# KiCad board haptic display 8x8 aisler.kicad_pcb (continued)
## Routing (per net, layer and track width the routed paths; a pad name or vN(x,y) marks a point on that pad's centre or on a via; arc(x,y) is an arc through that point) (continued)
18.68,17.34 18.44,17.47 18.21,17.63 17.99,17.8 17.8,17.99 17.62,18.2 17.46,18.43 17.32,18.67 17.2,18.92 17.11,19.18 17.05,19.45 17,19.72 16.99,20 17,20.28 17.03,20.55 17.09,20.83 17.18,21.09 17.29,21.35 17.42,21.6 17.58,21.83 17.75,22.05 17.95,22.25 18.16,22.43 18.39,22.6 18.64,22.74 18.89,22.85 19.16,22.95 19.44,23.02 19.72,23.06 20,23.07 20.28,23.07 20.57,23.03 20.84,22.97 21.12,22.88 21.38,22.77 21.63,22.63 21.87,22.47 22.09,22.29 22.3,22.09 22.48,21.88 22.65,21.64 22.79,21.39 22.91,21.13 23.01,20.86 23.08,20.58 23.12,20.29 23.14,20 23.13,19.71 23.09,19.42 23.03,19.14 22.94,18.86 22.83,18.59 22.69,18.34 22.52,18.09 22.34,17.87 22.14,17.66 21.91,17.47 21.67,17.3 21.42,17.15 21.15,17.03 20.87,16.93 20.59,16.86 20.29,16.82 20,16.8 19.72,16.81 19.44,16.84 19.17,16.9 18.9,16.98 18.64,17.08 18.39,17.21 18.15,17.36 17.93,17.53 17.72,17.72 17.52,17.92 17.35,18.14 17.19,18.38 17.06,18.63 16.95,18.89 16.86,19.16 16.79,19.43 16.75,19.72 16.74,20 16.75,20.28 16.78,20.57 16.84,20.85 16.92,21.12 17.03,21.39 17.16,21.64 17.31,21.89 17.48,22.11 17.67,22.33 17.88,22.53 18.11,22.7 18.35,22.86 18.6,23 18.87,23.11 19.14,23.2 19.42,23.27 19.71,23.31 20,23.32 20.29,23.32 20.58,23.28 20.86,23.22 21.14,23.14 21.41,23.03 21.67,22.9 21.92,22.74 22.16,22.57 22.37,22.37 22.57,22.16 22.75,21.93 22.92,21.68 23.05,21.42 23.17,21.15 23.26,20.87 23.33,20.59 23.37,20.29 23.39,20 23.38,19.7 23.34,19.41 23.28,19.12 23.2,18.84 23.09,18.56 22.95,18.3 22.79,18.04 22.62,17.8 22.42,17.58 22.2,17.38 21.96,17.19 21.71,17.03 21.45,16.89 21.18,16.77 20.89,16.68 20.6,16.61 20.3,16.57 20,16.55 19.71,16.56 19.43,16.59 19.15,16.65 18.88,16.72 18.61,16.83 18.35,16.95 18.1,17.09 17.86,17.26 17.64,17.44 17.44,17.64 17.25,17.86 17.08,18.09 16.93,18.34 16.8,18.6 16.69,18.86 16.6,19.14 16.54,19.42 16.5,19.71 16.49,20 16.5,20.29 16.53,20.58 16.59,20.86 16.67,21.14 16.77,21.42 16.89,21.68 17.04,21.93 17.21,22.17 17.39,22.4 17.6,22.61 17.82,22.8 18.06,22.97 18.31,23.13 18.57,23.26 18.84,23.37 19.12,23.46 19.41,23.52 19.71,23.56 20,23.57 20.3,23.57 20.59,23.53 20.88,23.48 21.17,23.39 21.44,23.29 21.71,23.16 21.97,23.01 22.21,22.84 22.44,22.65 22.65,22.44 22.85,22.22 23.03,21.98 23.18,21.72 23.32,21.45 23.43,21.18 23.52,20.89 23.58,20.6 23.62,20.3 23.64,20 23.63,19.7 23.59,19.4 23.54,19.1 23.45,18.81 23.35,18.53 23.22,18.26 23.06,18 22.89,17.75 22.7,17.52 22.49,17.3 22.26,17.1 22.01,16.92 21.75,16.76 21.48,16.63 21.2,16.51 20.91,16.42 20.61,16.36 20.31,16.32 20,16.3 19.71,16.31 19.42,16.34 19.13,16.39 18.85,16.47 18.58,16.57 18.31,16.69 18.06,16.83 17.81,16.99 17.58,17.17 17.36,17.36 17.16,17.57 16.98,17.8 16.81,18.05 16.66,18.3 16.54,18.57 16.43,18.84 16.35,19.12 16.29,19.41 16.25,19.71 16.24,20 16.25,20.3 16.28,20.59 16.33,20.88 16.41,21.17 16.51,21.45 16.63,21.72 16.77,21.98 16.94,22.23 17.12,22.46 17.32,22.68 17.53,22.89 17.77,23.07 18.01,23.24 18.27,23.39 18.54,23.52 18.82,23.63 19.11,23.71 19.4,23.77 19.7,23.81 20,23.82 20.3,23.82 20.6,23.78 20.9,23.73 21.19,23.65 21.47,23.55 21.75,23.42 22.01,23.28 22.26,23.11 22.5,22.93 22.73,22.73 22.93,22.51 23.12,22.27 23.3,22.02 23.45,21.76 23.58,21.48 23.69,21.2 23.77,20.91 23.83,20.61 23.87,20.3 23.89,20 23.88,19.69 23.85,19.39 23.79,19.09 23.71,18.79 23.61,18.51 23.48,18.23 23.33,17.96 23.17,17.7 22.98,17.46 22.77,17.23 22.55,17.02 22.31,16.82 22.05,16.65 21.78,16.5 21.51,16.37 21.22,16.26 20.92,16.17 20.62,16.1 20.31,16.07 20,16.05 19.7,16.06 19.41,16.09 19.12,16.14 18.83,16.21 18.55,16.31 18.28,16.43 18.01,16.56 17.76,16.72 17.52,16.89 17.29,17.08 17.08,17.29 16.88,17.51 16.7,17.75 16.54,18 16.4,18.27 16.28,18.54 16.18,18.82 16.1,19.11 16.04,19.4 16,19.7 15.99,20 16,20.3 16.03,20.6 16.08,20.89 16.15,21.19 16.25,21.47 16.37,21.75 16.51,22.02 16.67,22.27 16.84,22.52 17.04,22.75 17.25,22.97 17.48,23.17 17.72,23.35 17.97,23.51 18.24,23.66 18.52,23.78 18.8,23.88 19.1,23.96 19.39,24.02 19.7,24.06 20,24.07 20.3,24.07 20.61,24.04 20.91,23.98 21.2,23.91 21.49,23.81 21.78,23.69 22.05,23.55 22.31,23.39 22.56,23.21 22.79,23.01 23.01,22.79 23.21,22.56 23.4,22.32 23.57,22.06 23.71,21.79 23.84,21.51 23.94,21.22 24.03,20.92 24.09,20.62 24.12,20.31 24.14,20 24.13,19.69 24.1,19.38 24.04,19.08 23.97,18.78 23.87,18.48 23.74,18.2 23.6,17.92 23.44,17.66 23.26,17.4 23.05,17.17 22.84,16.94 22.6,16.74 22.35,16.55 22.09,16.38 21.81,16.23 21.53,16.1 21.23,16 20.93,15.91 20.63,15.85 20.31,15.81 20,15.8 19.7,15.81 19.4,15.84 19.11,15.89 18.81,15.96 18.53,16.05 18.25,16.16 17.98,16.3 17.72,16.45 17.47,16.62 17.23,16.8 17.01,17.01 16.8,17.23 16.61,17.46 16.43,17.71 16.28,17.97 16.14,18.24 16.02,18.52 15.92,18.8 15.84,19.1 15.79,19.39 15.75,19.7 15.74,20 15.75,20.3 15.78,20.61 15.83,20.91 15.9,21.2 15.99,21.49 16.11,21.78 16.24,22.05 16.4,22.32 16.57,22.57 16.76,22.81 16.96,23.04 17.19,23.25 17.42,23.44 17.67,23.62 17.94,23.78 18.21,23.92 18.49,24.04 18.78,24.14 19.08,24.22 19.39,24.28 19.69,24.31 20,24.32 20.31,24.32 20.62,24.29 20.92,24.23 21.22,24.16 21.52,24.07 21.8,23.95 22.08,23.81 22.35,23.66 22.61,23.48 22.85,23.29 23.08,23.08 23.29,22.85 23.49,22.61 23.67,22.36 23.83,22.09 23.98,21.82 24.1,21.53 24.2,21.23 24.28,20.93 24.34,20.62 24.37,20.31 24.39,20 24.38,19.69 24.35,19.37 24.3,19.07 24.22,18.76 24.12,18.46 24.01,18.17 23.87,17.89 23.71,17.62 23.53,17.36 23.34,17.11 23.12,16.88 22.9,16.66 22.65,16.46 22.39,16.28 22.12,16.11 21.84,15.97 21.55,15.84 21.25,15.74 20.94,15.66 20.63,15.6 20.32,15.56 20,15.55 19.05,15.55 ; 19.05,120.55 20,120.55 20.32,120.56 20.63,120.6 20.94,120.66 21.25,120.74 21.55,120.84 21.84,120.97 22.12,121.11 22.39,121.28 22.65,121.46 22.9,121.66 23.12,121.88 23.34,122.11 23.53,122.36 23.71,122.62 23.87,122.89 24.01,123.17 24.12,123.46 24.22,123.76 24.3,124.07 24.35,124.37 24.38,124.69 24.39,125 24.37,125.31 24.34,125.62 24.28,125.93 24.2,126.23 24.1,126.53 23.98,126.82 23.83,127.09 23.67,127.36 23.49,127.61 23.29,127.85 23.08,128.08 22.85,128.29 22.61,128.48 22.35,128.66 22.08,128.81 21.8,128.95 21.52,129.07 21.22,129.16 20.92,129.23 20.62,129.29 20.31,129.32 20,129.32 19.69,129.31 19.39,129.28 19.08,129.22 18.78,129.14 18.49,129.04 18.21,128.92 17.94,128.78 17.67,128.62 17.42,128.44 17.19,128.25 16.96,128.04 16.76,127.81 16.57,127.57 16.4,127.32 16.24,127.05 16.11,126.78 15.99,126.49 15.9,126.2 15.83,125.91 15.78,125.61 15.75,125.3 15.74,125 15.75,124.7 15.79,124.39 15.84,124.1 15.92,123.8 16.02,123.52 16.14,123.24 16.28,122.97 16.43,122.71 16.61,122.46 16.8,122.23 17.01,122.01 17.23,121.8 17.47,121.62 17.72,121.45 17.98,121.3 18.25,121.16 18.53,121.05 18.81,120.96 19.11,120.89 19.4,120.84 19.7,120.81 20,120.8 20.31,120.81 20.63,120.85 20.93,120.91 21.23,121 21.53,121.1 21.81,121.23 22.09,121.38 22.35,121.55 22.6,121.74 22.84,121.94 23.05,122.17 23.26,122.4 23.44,122.66 23.6,122.92 23.74,123.2 23.87,123.48 23.97,123.78 24.04,124.08 24.1,124.38 24.13,124.69 24.14,125 24.12,125.31 24.09,125.62 24.03,125.92 23.94,126.22 23.84,126.51 23.71,126.79 23.57,127.06 23.4,127.32 23.21,127.56 23.01,127.79 22.79,128.01 22.56,128.21 22.31,128.39 22.05,128.55 21.78,128.69 21.49,128.81 21.2,128.91 20.91,128.98 20.61,129.04 20.3,129.07 20,129.07 19.7,129.06 19.39,129.02 19.1,128.96 18.8,128.88 18.52,128.78 18.24,128.66 17.97,128.51 17.72,128.35 17.48,128.17 17.25,127.97 17.04,127.75 16.84,127.52 16.67,127.27 16.51,127.02 16.37,126.75 16.25,126.47 16.15,126.19 16.08,125.89 16.03,125.6 16,125.3 15.99,125 16,124.7 16.04,124.4 16.1,124.11 16.18,123.82 16.28,123.54 16.4,123.27 16.54,123 16.7,122.75 16.88,122.51 17.08,122.29 17.29,122.08 17.52,121.89 17.76,121.72 18.01,121.56 18.28,121.43 18.55,121.31 18.83,121.21 19.12,121.14 19.41,121.09 19.7,121.06 20,121.05 20.31,121.07 20.62,121.1 20.92,121.17 21.22,121.26 21.51,121.37 21.78,121.5 22.05,121.65 22.31,121.82 22.55,122.02 22.77,122.23 22.98,122.46 23.17,122.7 23.33,122.96 23.48,123.23 23.61,123.51 23.71,123.79 23.79,124.09 23.85,124.39 23.88,124.69 23.89,125 23.87,125.3 23.83,125.61 23.77,125.91 23.69,126.2 23.58,126.48 23.45,126.76 23.3,127.02 23.12,127.27 22.93,127.51 22.73,127.73 22.5,127.93 22.26,128.11 22.01,128.28 21.75,128.42 21.47,128.55 21.19,128.65 20.9,128.73 20.6,128.78 20.3,128.82 20,128.82 19.7,128.81 19.4,128.77 19.11,128.71 18.82,128.63 18.54,128.52 18.27,128.39 18.01,128.24 17.77,128.07 17.53,127.89 17.32,127.68 17.12,127.46 16.94,127.23 16.77,126.98 16.63,126.72 16.51,126.45 16.41,126.17 16.33,125.88 16.28,125.59 16.25,125.3 16.24,125 16.25,124.71 16.29,124.41 16.35,124.12 16.43,123.84 16.54,123.57 16.66,123.3 16.81,123.05 16.98,122.8 17.16,122.57 17.36,122.36 17.58,122.17 17.81,121.99 18.06,121.83 18.31,121.69 18.58,121.57 18.85,121.47 19.13,121.39 19.42,121.34 19.71,121.31 20,121.3 20.31,121.32 20.61,121.36 20.91,121.42 21.2,121.51 21.48,121.63 21.75,121.76 22.01,121.92 22.26,122.1 22.49,122.3 22.7,122.52 22.89,122.75 23.06,123 23.22,123.26 23.35,123.53 23.45,123.81 23.54,124.1 23.59,124.4 23.63,124.7 23.64,125 23.62,125.3 23.58,125.6 23.52,125.89 23.43,126.18 23.32,126.45 23.18,126.72 23.03,126.98 22.85,127.22 22.65,127.44 22.44,127.65 22.21,127.84 21.97,128.01 21.71,128.16 21.44,128.29 21.17,128.39 20.88,128.48 20.59,128.53 20.3,128.57 20,128.57 19.71,128.56 19.41,128.52 19.12,128.46 18.84,128.37 18.57,128.26 18.31,128.13 18.06,127.97 17.82,127.8 17.6,127.61 17.39,127.4 17.21,127.17 17.04,126.93 16.89,126.68 16.77,126.42 16.67,126.14 16.59,125.86 16.53,125.58 16.5,125.29 16.49,125 16.5,124.71 16.54,124.42 16.6,124.14 16.69,123.86 16.8,123.6 16.93,123.34 17.08,123.09 17.25,122.86 17.44,122.64 17.64,122.44 17.86,122.26 18.1,122.09 18.35,121.95 18.61,121.83 18.88,121.72 19.15,121.65 19.43,121.59 19.71,121.56 20,121.55 20.3,121.57 20.6,121.61 20.89,121.68 21.18,121.77 21.45,121.89 21.71,122.03 21.96,122.19 22.2,122.38 22.42,122.58 22.62,122.8 22.79,123.04 22.95,123.3 23.09,123.56 23.2,123.84 23.28,124.12 23.34,124.41 23.38,124.7 23.39,125 23.37,125.29 23.33,125.59 23.26,125.87 23.17,126.15 23.05,126.42 22.92,126.68 22.75,126.93 22.57,127.16 22.37,127.37 22.16,127.57 21.92,127.74 21.67,127.9 21.41,128.03 21.14,128.14 20.86,128.22 20.58,128.28 20.29,128.32 20,128.32 19.71,128.31 19.42,128.27 19.14,128.2 18.87,128.11 18.6,128 18.35,127.86 18.11,127.7 17.88,127.53 17.67,127.33 17.48,127.11 17.31,126.89 17.16,126.64 17.03,126.39 16.92,126.12 16.84,125.85 16.78,125.57 16.75,125.28 16.74,125 16.75,124.72 16.79,124.43 16.86,124.16 16.95,123.89 17.06,123.63 17.19,123.38 17.35,123.14 17.52,122.92 17.72,122.72 17.93,122.53 18.15,122.36 18.39,122.21 18.64,122.08 18.9,121.98 19.17,121.9 19.44,121.84 19.72,121.81 20,121.8 20.29,121.82 20.59,121.86 20.87,121.93 21.15,122.03 21.42,122.15 21.67,122.3 21.91,122.47 22.14,122.66 22.34,122.87 22.52,123.09 22.69,123.34 22.83,123.59 22.94,123.86 23.03,124.14 23.09,124.42 23.13,124.71 23.14,125 23.12,125.29 23.08,125.58 23.01,125.86 22.91,126.13 22.79,126.39 22.65,126.64 22.48,126.88 22.3,127.09 22.09,127.29 21.87,127.47 21.63,127.63 21.38,127.77 21.12,127.88 20.84,127.97 20.57,128.03 20.28,128.07 20,128.07 19.72,128.06 19.44,128.02 19.16,127.95 18.89,127.85 18.64,127.74 18.39,127.6 18.16,127.43 17.95,127.25 17.75,127.05 17.58,126.83 17.42,126.6 17.29,126.35 17.18,126.09 17.09,125.83 17.03,125.55 17,125.28 16.99,125 17,124.72 17.05,124.45 17.11,124.18 17.2,123.92 17.32,123.67 17.46,123.43 17.62,123.2 17.8,122.99 17.99,122.8 18.21,122.63 18.44,122.47 18.68,122.34 18.93,122.24 19.19,122.15 19.46,122.09 19.73,122.06 20,122.05 20.29,122.07 20.57,122.11 20.85,122.19 21.12,122.29 21.38,122.42 21.63,122.57 21.85,122.74 22.06,122.94 22.25,123.15 22.42,123.38 22.56,123.63 22.68,123.89 22.77,124.16 22.84,124.44 22.88,124.72 22.89,125 22.87,125.28 22.82,125.56 22.75,125.83 22.65,126.1 22.53,126.35 22.38,126.59 22.21,126.81 22.02,127.02 21.81,127.2 21.58,127.37 21.34,127.51 21.09,127.62 20.82,127.71 20.55,127.78 20.28,127.82 20,127.83 19.72,127.81 19.45,127.76 19.18,127.69 18.92,127.6 18.68,127.47 18.44,127.33 18.23,127.16 18.02,126.98 17.84,126.77 17.68,126.55 17.55,126.31 17.43,126.06 17.35,125.81 17.28,125.54 17.25,125.27 17.24,125 17.25,124.73 17.3,124.46 17.37,124.2 17.46,123.95 17.58,123.71 17.72,123.48 17.89,123.26 18.07,123.07 18.27,122.89 18.49,122.74 18.72,122.6 18.96,122.49 19.21,122.41 19.47,122.34 19.73,122.31 20,122.3 20.28,122.32 20.56,122.37 20.83,122.44 21.09,122.55 21.34,122.68 21.57,122.84 21.79,123.02 21.98,123.22 22.15,123.44 22.3,123.67 22.42,123.92 22.52,124.18 22.59,124.45 22.63,124.72 22.64,125 22.62,125.28 22.57,125.55 22.5,125.81 22.39,126.07 22.27,126.31 22.11,126.54 21.94,126.75 21.74,126.94 21.53,127.1 21.3,127.25 21.05,127.37 20.8,127.46 20.54,127.53 20.27,127.57 20,127.58 19.73,127.56 19.47,127.51 19.21,127.44 18.96,127.34 18.72,127.21 18.5,127.06 18.3,126.89 18.11,126.7 17.95,126.49 17.81,126.27 17.69,126.03 17.6,125.78 17.53,125.52 17.5,125.26 17.49,125 17.51,124.74 17.55,124.48 17.62,124.23 17.72,123.98 17.84,123.75 17.99,123.54 18.15,123.34 18.34,123.16 18.55,123 18.76,122.86 19,122.75 19.24,122.66 19.49,122.6 19.74,122.56 20,122.55 20.27,122.57 20.54,122.62 20.8,122.7 21.06,122.81 21.29,122.94 21.51,123.11 21.71,123.29 21.89,123.49 22.04,123.72 22.17,123.96 22.27,124.21 22.34,124.47 22.38,124.73 22.39,125 22.37,125.27 22.32,125.53 22.24,125.78 22.13,126.03 22,126.26 21.85,126.47 21.67,126.67 21.47,126.84 21.25,126.99 21.02,127.11 20.77,127.21 20.52,127.28 20.26,127.31 20,127.33 19.74,127.31 19.48,127.26 19.24,127.18 19,127.08 18.77,126.95 18.57,126.8 18.38,126.62 18.21,126.43 18.07,126.22 17.95,125.99 17.85,125.75 17.79,125.51 17.75,125.25 17.74,125 17.76,124.75 17.8,124.5 17.88,124.26 17.98,124.03 18.1,123.81 18.25,123.61 18.42,123.42 18.61,123.26 18.82,123.12 19.04,123 19.27,122.91 19.51,122.85 19.75,122.81 20,122.8 20.26,122.82 20.52,122.87 20.78,122.96 21.01,123.07 21.24,123.21 21.44,123.37 21.62,123.56 21.78,123.77 21.91,124 22.01,124.24 22.08,124.49 22.13,124.74 22.14,125 22.12,125.26 22.07,125.51 21.99,125.75 21.88,125.98 21.74,126.2 21.58,126.4 21.4,126.57 21.19,126.73 20.97,126.85 20.74,126.95 20.5,127.02 20.25,127.06 20,127.08 19.75,127.06 19.51,127.01 19.27,126.93 19.04,126.82 18.83,126.69 18.64,126.53 18.47,126.35 18.32,126.16 18.2,125.94 18.1,125.72 18.04,125.48 18,125.24 17.99,125 18.01,124.76 18.06,124.52 18.13,124.29 18.24,124.07 18.36,123.87 18.52,123.68 18.69,123.52 18.88,123.38 19.08,123.26 19.3,123.16 19.53,123.1 19.76,123.06 20,123.05 20.25,123.07 20.5,123.13 20.74,123.21 20.96,123.33 21.17,123.47 21.36,123.64 21.52,123.84 21.65,124.05 21.76,124.27 21.83,124.51 21.88,124.75 21.89,125 21.87,125.25 21.81,125.49 21.73,125.72 21.62,125.93 21.48,126.13 21.31,126.31 21.13,126.47 20.92,126.6 20.7,126.7 20.48,126.77 20.24,126.81 20,126.83 19.76,126.8 19.53,126.75 19.31,126.67 19.1,126.56 18.9,126.43 18.73,126.27 18.58,126.09 18.46,125.89 18.36,125.68 18.29,125.46 18.25,125.23 18.24,125 18.26,124.77 18.31,124.55 18.39,124.33 18.49,124.13 18.62,123.94 18.78,123.78 18.95,123.63 19.14,123.51 19.34,123.41 19.56,123.35 19.78,123.31 20,123.3 20.24,123.32 20.48,123.38 20.7,123.47 20.91,123.59 21.09,123.74 21.26,123.91 21.4,124.1 21.51,124.31 21.58,124.54 21.63,124.77 21.64,125 21.62,125.23 21.56,125.46 21.47,125.67 21.36,125.87 21.22,126.05 21.05,126.21 20.86,126.34 20.66,126.45 20.45,126.52 20.22,126.56 20,126.58 19.78,126.55 19.56,126.5 19.35,126.42 19.16,126.31 18.99,126.17 18.84,126.01 18.71,125.83 18.61,125.64 18.54,125.43 18.5,125.22 18.49,125 18.51,124.79 18.56,124.58 18.64,124.38 18.75,124.19 18.88,124.03 19.03,123.88 19.2,123.76 19.39,123.67 19.59,123.6 19.79,123.56 20,123.55 20,123.6 19.63,123.97 19.59,123.98
  Front w0.25: J1.1 28.3,140 15.25,126.95 15.25,123 17.7,120.55 19.05,120.55 15.2,116.7 15.2,108.1 17.75,105.55 19.05,105.55 15.2,101.7 15.2,93.1 17.75,90.55 19.05,90.55 15.2,86.7 15.2,78.1 17.75,75.55 19.05,75.55 15.2,71.7 15.2,63.1 17.75,60.55 19.05,60.55 15.2,56.7 15.2,48.1 17.75,45.55 19.05,45.55 15.2,41.7 15.2,33.1 17.75,30.55 19.05,30.55 15.2,26.7 15.2,18.1 17.75,15.55 19.05,15.55
  In1.Cu w0.15: 19.59,108.98 19.63,108.97 20,108.6 20,108.55 20.21,108.56 20.41,108.6 20.61,108.67 20.8,108.76 20.97,108.88 21.12,109.03 21.25,109.19 21.36,109.38 21.44,109.58 21.49,109.79 21.51,110 21.5,110.22 21.46,110.43 21.39,110.64 21.29,110.83 21.16,111.01 21.01,111.17 20.84,111.31 20.65,111.42 20.44,111.5 20.22,111.55 20,111.58 19.78,111.56 19.55,111.52 19.34,111.45 19.14,111.34 18.95,111.21 18.78,111.05 18.64,110.87 18.53,110.67 18.44,110.46 18.38,110.23 18.36,110 18.37,109.77 18.42,109.54 18.49,109.31 18.6,109.1 18.74,108.91 18.91,108.74 19.09,108.59 19.3,108.47 19.52,108.38 19.76,108.32 20,108.3 20.22,108.31 20.44,108.35 20.66,108.41 20.86,108.51 21.05,108.63 21.22,108.78 21.38,108.94 21.51,109.13 21.61,109.33 21.69,109.55 21.74,109.77 21.76,110 21.75,110.23 21.71,110.46 21.64,110.68 21.54,110.89 21.42,111.09 21.27,111.27 21.1,111.43 20.9,111.56 20.69,111.67 20.47,111.75 20.24,111.8 20,111.83 19.76,111.81 19.52,111.77 19.3,111.7 19.08,111.6 18.87,111.47 18.69,111.31 18.52,111.13 18.38,110.93 18.27,110.72 18.19,110.49 18.13,110.25 18.11,110 18.12,109.75 18.17,109.51 18.24,109.27 18.35,109.05 18.48,108.84 18.64,108.64 18.83,108.47 19.04,108.33 19.26,108.21 19.5,108.13 19.75,108.07 20,108.05 20.24,108.06 20.47,108.1 20.7,108.16 20.92,108.26 21.12,108.38 21.31,108.52 21.48,108.68 21.64,108.87 21.76,109.07 21.87,109.29 21.94,109.52 21.99,109.76 22.01,110 22,110.24 21.96,110.48 21.9,110.72 21.8,110.94 21.68,111.16 21.53,111.35 21.36,111.53 21.17,111.69 20.96,111.82 20.73,111.93 20.49,112.01 20.25,112.06 20,112.08 19.75,112.06 19.5,112.02 19.26,111.95 19.03,111.85 18.81,111.73 18.6,111.57 18.42,111.4 18.26,111.2 18.12,110.98 18.01,110.75 17.93,110.51 17.88,110.26 17.86,110 17.87,109.74 17.92,109.49 17.99,109.24 18.09,109 18.22,108.77 18.38,108.56 18.56,108.37 18.76,108.21 18.99,108.07 19.22,107.96 19.48,107.87 19.74,107.82 20,107.8 20.25,107.81 20.49,107.85 20.73,107.91 20.96,108 21.18,108.12 21.39,108.26 21.58,108.42 21.75,108.61 21.9,108.81 22.02,109.03 22.12,109.26 22.2,109.5 22.24,109.75 22.26,110 22.25,110.25 22.21,110.51 22.15,110.75 22.05,110.99 21.93,111.22 21.79,111.43 21.62,111.62 21.43,111.8 21.23,111.95 21,112.08 20.76,112.18 20.52,112.26 20.26,112.31 20,112.33 19.74,112.31 19.48,112.28 19.23,112.21 18.98,112.11 18.75,111.99 18.53,111.84 18.33,111.67 18.15,111.47 18,111.26 17.87,111.03 17.76,110.78 17.68,110.53 17.63,110.27 17.61,110 17.62,109.73 17.66,109.47 17.73,109.21 17.83,108.96 17.96,108.72 18.11,108.49 18.29,108.29 18.49,108.11 18.71,107.94 18.94,107.81 19.2,107.7 19.46,107.62 19.73,107.57 20,107.55 20.26,107.56 20.51,107.6 20.76,107.66 21,107.75 21.24,107.86 21.45,108 21.66,108.16 21.85,108.34 22.01,108.54 22.16,108.75 22.28,108.98 22.38,109.23 22.45,109.48 22.49,109.74 22.51,110 22.5,110.26 22.47,110.52 22.4,110.78 22.31,111.03 22.19,111.27 22.05,111.49 21.89,111.7 21.7,111.89 21.5,112.06 21.28,112.21 21.04,112.34 20.79,112.44 20.53,112.51 20.27,112.56 20,112.58 19.73,112.57 19.46,112.53 19.2,112.46 18.95,112.37 18.7,112.25 18.47,112.1 18.26,111.94 18.06,111.75 17.89,111.54 17.73,111.31 17.61,111.07 17.5,110.81 17.43,110.55 17.38,110.28 17.36,110 17.37,109.72 17.41,109.45 17.48,109.18 17.58,108.92 17.7,108.67 17.85,108.44 18.02,108.22 18.21,108.02 18.43,107.84 18.66,107.68 18.91,107.55 19.17,107.44 19.44,107.37 19.72,107.32 20,107.3 20.27,107.31 20.53,107.34 20.79,107.41 21.04,107.49 21.28,107.6 21.51,107.74 21.73,107.89 21.93,108.07 22.11,108.26 22.28,108.48 22.42,108.71 22.54,108.95 22.63,109.2 22.7,109.46 22.75,109.73 22.76,110 22.75,110.27 22.72,110.54 22.65,110.81 22.57,111.06 22.45,111.31 22.32,111.55 22.16,111.77 21.98,111.98 21.77,112.16 21.56,112.33 21.32,112.47 21.08,112.6 20.82,112.69 20.55,112.76 20.28,112.81 20,112.83 19.72,112.82 19.45,112.78 19.18,112.71 18.91,112.62 18.66,112.51 18.42,112.37 18.19,112.2 17.98,112.02 17.79,111.81 17.62,111.59 17.47,111.35 17.35,111.1 17.25,110.83 17.18,110.56 17.13,110.28 17.11,110 17.12,109.72 17.16,109.44 17.23,109.16 17.32,108.89 17.44,108.63 17.58,108.38 17.75,108.15 17.94,107.94 18.15,107.74 18.37,107.57 18.62,107.42 18.88,107.29 19.15,107.19 19.43,107.11 19.71,107.07 20,107.05 20.27,107.06 20.54,107.09 20.81,107.15 21.07,107.24 21.32,107.34 21.56,107.47 21.79,107.63 22.01,107.8 22.2,107.99 22.38,108.2 22.54,108.43 22.68,108.67 22.8,108.92 22.89,109.18 22.95,109.45 23,109.72 23.01,110 23,110.28 22.97,110.55 22.91,110.83 22.82,111.09 22.71,111.35 22.58,111.6 22.42,111.83 22.25,112.05 22.05,112.25 21.84,112.43 21.61,112.6 21.36,112.74 21.11,112.85 20.84,112.95 20.56,113.02 20.28,113.06 20,113.08 19.72,113.07 19.43,113.03 19.16,112.97 18.88,112.88 18.62,112.77 18.37,112.63 18.13,112.47 17.91,112.29 17.7,112.09 17.52,111.88 17.35,111.64 17.21,111.39 17.09,111.13 16.99,110.86 16.92,110.58 16.88,110.29 16.86,110 16.87,109.71 16.91,109.42 16.97,109.14 17.06,108.86 17.17,108.59 17.31,108.34 17.48,108.09 17.66,107.87 17.86,107.66 18.09,107.47 18.33,107.3 18.58,107.15 18.85,107.03 19.13,106.93 19.41,106.86 19.71,106.82 20,106.8 20.28,106.81 20.56,106.84 20.83,106.9 21.1,106.98 21.36,107.08 21.61,107.21 21.85,107.36 22.07,107.53 22.28,107.72 22.48,107.92 22.65,108.14 22.81,108.38 22.94,108.63 23.05,108.89 23.14,109.16 23.21,109.43 23.25,109.72 23.26,110 23.25,110.28 23.22,110.57 23.16,110.85 23.08,111.12 22.97,111.39 22.84,111.64 22.69,111.89 22.52,112.11 22.33,112.33 22.12,112.53 21.89,112.7 21.65,112.86 21.4,113 21.13,113.11 20.86,113.2 20.58,113.27 20.29,113.31 20,113.33 19.71,113.32 19.42,113.28 19.14,113.22 18.86,113.14 18.59,113.03 18.33,112.9 18.08,112.74 17.84,112.57 17.63,112.37 17.43,112.16 17.25,111.93 17.08,111.68 16.95,111.42 16.83,111.15 16.74,110.87 16.67,110.59 16.63,110.29 16.61,110 16.62,109.7 16.66,109.41 16.72,109.12 16.8,108.84 16.91,108.56 17.05,108.3 17.21,108.04 17.38,107.8 17.58,107.58 17.8,107.38 18.04,107.19 18.29,107.03 18.55,106.89 18.82,106.77 19.11,106.68 19.4,106.61 19.7,106.57 20,106.55 20.29,106.56 20.57,106.59 20.85,106.65 21.12,106.72 21.39,106.83 21.65,106.95 21.9,107.09 22.14,107.26 22.36,107.44 22.56,107.64 22.75,107.86 22.92,108.09 23.07,108.34 23.2,108.6 23.31,108.86 23.4,109.14 23.46,109.42 23.5,109.71 23.51,110 23.5,110.29 23.47,110.58 23.41,110.86 23.33,111.14 23.23,111.42 23.11,111.68 22.96,111.93 22.79,112.17 22.61,112.4 22.4,112.61 22.18,112.8 21.94,112.97 21.69,113.13 21.43,113.26 21.16,113.37 20.88,113.46 20.59,113.52 20.29,113.56 20,113.58 19.7,113.57 19.41,113.53 19.12,113.48 18.83,113.39 18.56,113.29 18.29,113.16 18.03,113.01 17.79,112.84 17.56,112.65 17.35,112.44 17.15,112.22 16.97,111.98 16.82,111.72 16.68,111.45 16.57,111.18 16.48,110.89 16.42,110.6 16.38,110.3 16.36,110 16.37,109.7 16.41,109.4 16.46,109.1 16.55,108.81 16.65,108.53 16.78,108.26 16.94,108 17.11,107.75 17.3,107.52 17.51,107.3 17.74,107.1 17.99,106.92 18.25,106.76 18.52,106.63 18.8,106.51 19.09,106.42 19.39,106.36 19.69,106.32 20,106.3 20.29,106.31 20.58,106.34 20.87,106.39 21.15,106.47 21.42,106.57 21.69,106.69 21.94,106.83 22.19,106.99 22.42,107.17 22.64,107.36 22.84,107.57 23.02,107.8 23.19,108.05 23.34,108.3 23.46,108.57 23.57,108.84 23.65,109.12 23.71,109.41 23.75,109.71 23.76,110 23.75,110.3 23.72,110.59 23.67,110.88 23.59,111.17 23.49,111.45 23.37,111.72 23.23,111.98 23.06,112.23 22.88,112.46 22.68,112.68 22.47,112.89 22.23,113.07 21.99,113.24 21.73,113.39 21.46,113.52 21.18,113.63 20.89,113.71 20.6,113.77 20.3,113.81 20,113.83 19.7,113.82 19.4,113.78 19.1,113.73 18.81,113.65 18.53,113.55 18.25,113.42 17.99,113.28 17.74,113.11 17.5,112.93 17.27,112.73 17.07,112.51 16.88,112.27 16.7,112.02 16.55,111.76 16.42,111.48 16.31,111.2 16.23,110.91 16.17,110.61 16.13,110.3 16.11,110 16.12,109.69 16.15,109.39 16.21,109.09 16.29,108.79 16.39,108.51 16.52,108.23 16.67,107.96 16.83,107.7 17.02,107.46 17.23,107.23 17.45,107.02 17.69,106.82 17.95,106.65 18.22,106.5 18.49,106.37 18.78,106.26 19.08,106.17 19.38,106.1 19.69,106.07 20,106.05 20.3,106.06 20.59,106.09 20.88,106.14 21.17,106.21 21.45,106.31 21.72,106.43 21.99,106.56 22.24,106.72 22.48,106.89 22.71,107.08 22.92,107.29 23.12,107.51 23.3,107.75 23.46,108 23.6,108.27 23.72,108.54 23.82,108.82 23.9,109.11 23.96,109.4 24,109.7 24.01,110 24,110.3 23.97,110.6 23.92,110.89 23.85,111.19 23.75,111.47 23.63,111.75 23.49,112.02 23.33,112.27 23.16,112.52 22.96,112.75 22.75,112.97 22.52,113.17 22.28,113.35 22.03,113.51 21.76,113.66 21.48,113.78 21.2,113.88 20.9,113.96 20.61,114.02 20.3,114.06 20,114.08 19.7,114.07 19.39,114.04 19.09,113.98 18.8,113.91 18.51,113.81 18.22,113.69 17.95,113.55 17.69,113.39 17.44,113.21 17.21,113.01 16.99,112.79 16.79,112.56 16.6,112.32 16.43,112.06 16.29,111.79 16.16,111.51 16.06,111.22 15.97,110.92 15.91,110.62 15.88,110.31 15.86,110 15.87,109.69 15.9,109.38 15.96,109.08 16.03,108.78 16.13,108.48 16.26,108.2 16.4,107.92 16.56,107.66 16.74,107.4 16.95,107.17 17.16,106.94 17.4,106.74 17.65,106.55 17.91,106.38 18.19,106.23 18.47,106.1 18.77,106 19.07,105.91 19.37,105.85 19.69,105.81 20,105.8 20.3,105.81 20.6,105.84 20.89,105.89 21.19,105.96 21.47,106.05 21.75,106.16 22.02,106.3 22.28,106.45 22.53,106.62 22.77,106.8 22.99,107.01 23.2,107.23 23.39,107.46 23.57,107.71 23.72,107.97 23.86,108.24 23.98,108.52 24.08,108.8 24.16,109.1 24.21,109.39 24.25,109.7 24.26,110 24.25,110.3 24.22,110.61 24.17,110.91 24.1,111.2 24.01,111.49 23.89,111.78 23.76,112.05 23.6,112.32 23.43,112.57 23.24,112.81 23.04,113.04 22.81,113.25 22.58,113.44 22.33,113.62 22.06,113.78 21.79,113.92 21.51,114.04 21.22,114.14 20.92,114.22 20.61,114.28 20.31,114.31 20,114.33 19.69,114.32 19.38,114.29 19.08,114.23 18.78,114.16 18.48,114.07 18.2,113.95 17.92,113.81 17.65,113.66 17.39,113.48 17.15,113.29 16.92,113.08 16.71,112.85 16.51,112.61 16.33,112.36 16.17,112.09 16.02,111.82 15.9,111.53 15.8,111.23 15.72,110.93 15.66,110.62 15.63,110.31 15.61,110 15.62,109.69 15.65,109.37 15.7,109.07 15.78,108.76 15.88,108.46 15.99,108.17 16.13,107.89 16.29,107.62 16.47,107.36 16.66,107.11 16.88,106.88 17.1,106.66 17.35,106.46 17.61,106.28 17.88,106.11 18.16,105.97 18.45,105.84 18.75,105.74 19.06,105.66 19.37,105.6 19.68,105.56 20,105.55 20,105.35 v1(20.35,105) ; 19.59,93.98 19.63,93.97 20,93.6 20,93.55 20.21,93.56 20.41,93.6 20.61,93.67 20.8,93.76 20.97,93.88 21.12,94.03 21.25,94.19 21.36,94.38 21.44,94.58 21.49,94.79 21.51,95 21.5,95.22 21.46,95.43 21.39,95.64 21.29,95.83 21.16,96.01 21.01,96.17 20.84,96.31 20.65,96.42 20.44,96.5 20.22,96.55 20,96.58 19.78,96.56 19.55,96.52 19.34,96.45 19.14,96.34 18.95,96.21 18.78,96.05 18.64,95.87 18.53,95.67 18.44,95.46 18.38,95.23 18.36,95 18.37,94.77 18.42,94.54 18.49,94.31 18.6,94.1 18.74,93.91 18.91,93.74 19.09,93.59 19.3,93.47 19.52,93.38 19.76,93.32 20,93.3 20.22,93.31 20.44,93.35 20.66,93.41 20.86,93.51 21.05,93.63 21.22,93.78 21.38,93.94 21.51,94.13 21.61,94.33 21.69,94.55 21.74,94.77 21.76,95 21.75,95.23 21.71,95.46 21.64,95.68 21.54,95.89 21.42,96.09 21.27,96.27 21.1,96.43 20.9,96.56 20.69,96.67 20.47,96.75 20.24,96.8 20,96.83 19.76,96.81 19.52,96.77 19.3,96.7 19.08,96.6 18.87,96.47 18.69,96.31 18.52,96.13 18.38,95.93 18.27,95.72 18.19,95.49 18.13,95.25 18.11,95 18.12,94.75 18.17,94.51 18.24,94.27 18.35,94.05 18.48,93.84 18.64,93.64 18.83,93.47 19.04,93.33 19.26,93.21 19.5,93.13 19.75,93.07 20,93.05 20.24,93.06 20.47,93.1 20.7,93.16 20.92,93.26 21.12,93.38 21.31,93.52 21.48,93.68 21.64,93.87 21.76,94.07 21.87,94.29 21.94,94.52 21.99,94.76 22.01,95 22,95.24 21.96,95.48 21.9,95.72 21.8,95.94 21.68,96.16 21.53,96.35 21.36,96.53 21.17,96.69 20.96,96.82 20.73,96.93 20.49,97.01 20.25,97.06 20,97.08 19.75,97.06 19.5,97.02 19.26,96.95 19.03,96.85 18.81,96.73 18.6,96.57 18.42,96.4 18.26,96.2 18.12,95.98 18.01,95.75 17.93,95.51 17.88,95.26 17.86,95 17.87,94.74 17.92,94.49 17.99,94.24 18.09,94 18.22,93.77 18.38,93.56 18.56,93.37 18.76,93.21 18.99,93.07 19.22,92.96 19.48,92.87 19.74,92.82 20,92.8 20.25,92.81 20.49,92.85 20.73,92.91 20.96,93 21.18,93.12 21.39,93.26 21.58,93.42 21.75,93.61 21.9,93.81 22.02,94.03 22.12,94.26 22.2,94.5 22.24,94.75 22.26,95 22.25,95.25 22.21,95.51 22.15,95.75 22.05,95.99 21.93,96.22 21.79,96.43 21.62,96.62 21.43,96.8 21.23,96.95 21,97.08 20.76,97.18 20.52,97.26 20.26,97.31 20,97.33 19.74,97.31 19.48,97.28 19.23,97.21 18.98,97.11 18.75,96.99 18.53,96.84 18.33,96.67 18.15,96.47 18,96.26 17.87,96.03 17.76,95.78 17.68,95.53 17.63,95.27 17.61,95 17.62,94.73 17.66,94.47 17.73,94.21 17.83,93.96 17.96,93.72 18.11,93.49 18.29,93.29 18.49,93.11 18.71,92.94 18.94,92.81 19.2,92.7 19.46,92.62 19.73,92.57 20,92.55 20.26,92.56 20.51,92.6 20.76,92.66 21,92.75 21.24,92.86 21.45,93 21.66,93.16 21.85,93.34 22.01,93.54 22.16,93.75 22.28,93.98 22.38,94.23 22.45,94.48 22.49,94.74 22.51,95 22.5,95.26 22.47,95.52 22.4,95.78 22.31,96.03 22.19,96.27 22.05,96.49 21.89,96.7 21.7,96.89 21.5,97.06 21.28,97.21 21.04,97.34 20.79,97.44 20.53,97.51 20.27,97.56 20,97.58 19.73,97.57 19.46,97.53 19.2,97.46 18.95,97.37 18.7,97.25 18.47,97.1 18.26,96.94 18.06,96.75 17.89,96.54 17.73,96.31 17.61,96.07 17.5,95.81 17.43,95.55 17.38,95.28 17.36,95 17.37,94.72 17.41,94.45 17.48,94.18 17.58,93.92 17.7,93.67 17.85,93.44 18.02,93.22 18.21,93.02 18.43,92.84 18.66,92.68 18.91,92.55 19.17,92.44 19.44,92.37 19.72,92.32 20,92.3 20.27,92.31 20.53,92.34 20.79,92.41 21.04,92.49 21.28,92.6 21.51,92.74 21.73,92.89 21.93,93.07 22.11,93.26 22.28,93.48 22.42,93.71 22.54,93.95 22.63,94.2 22.7,94.46 22.75,94.73 22.76,95 22.75,95.27 22.72,95.54 22.65,95.81 22.57,96.06 22.45,96.31 22.32,96.55 22.16,96.77 21.98,96.98 21.77,97.16 21.56,97.33 21.32,97.47 21.08,97.6 20.82,97.69 20.55,97.76 20.28,97.81 20,97.83 19.72,97.82 19.45,97.78 19.18,97.71 18.91,97.62 18.66,97.51 18.42,97.37 18.19,97.2 17.98,97.02 17.79,96.81 17.62,96.59 17.47,96.35 17.35,96.1 17.25,95.83 17.18,95.56 17.13,95.28 17.11,95 17.12,94.72 17.16,94.44 17.23,94.16 17.32,93.89 17.44,93.63 17.58,93.38 17.75,93.15 17.94,92.94 18.15,92.74 18.37,92.57 18.62,92.42 18.88,92.29 19.15,92.19 19.43,92.11 19.71,92.07 20,92.05 20.27,92.06 20.54,92.09 20.81,92.15 21.07,92.24 21.32,92.34 21.56,92.47 21.79,92.63 22.01,92.8 22.2,92.99 22.38,93.2 22.54,93.43 22.68,93.67 22.8,93.92 22.89,94.18 22.95,94.45 23,94.72 23.01,95 23,95.28 22.97,95.55 22.91,95.83 22.82,96.09 22.71,96.35 22.58,96.6 22.42,96.83 22.25,97.05 22.05,97.25 21.84,97.43 21.61,97.6 21.36,97.74 21.11,97.85 20.84,97.95 20.56,98.02 20.28,98.06 20,98.08 19.72,98.07 19.43,98.03 19.16,97.97 18.88,97.88 18.62,97.77 18.37,97.63 18.13,97.47 17.91,97.29 17.7,97.09 17.52,96.88 17.35,96.64 17.21,96.39 17.09,96.13 16.99,95.86 16.92,95.58 16.88,95.29 16.86,95 16.87,94.71 16.91,94.42 16.97,94.14 17.06,93.86 17.17,93.59 17.31,93.34 17.48,93.09 17.66,92.87 17.86,92.66 18.09,92.47 18.33,92.3 18.58,92.15 18.85,92.03 19.13,91.93 19.41,91.86 19.71,91.82 20,91.8 20.28,91.81 20.56,91.84 20.83,91.9 21.1,91.98 21.36,92.08 21.61,92.21 21.85,92.36 22.07,92.53 22.28,92.72 22.48,92.92 22.65,93.14 22.81,93.38 22.94,93.63 23.05,93.89 23.14,94.16 23.21,94.43 23.25,94.72 23.26,95 23.25,95.28 23.22,95.57 23.16,95.85 23.08,96.12 22.97,96.39 22.84,96.64 22.69,96.89 22.52,97.11 22.33,97.33 22.12,97.53 21.89,97.7 21.65,97.86 21.4,98 21.13,98.11 20.86,98.2 20.58,98.27 20.29,98.31 20,98.33 19.71,98.32 19.42,98.28 19.14,98.22 18.86,98.14 18.59,98.03 18.33,97.9 18.08,97.74 17.84,97.57 17.63,97.37 17.43,97.16 17.25,96.93 17.08,96.68 16.95,96.42 16.83,96.15 16.74,95.87 16.67,95.59 16.63,95.29 16.61,95 16.62,94.7 16.66,94.41 16.72,94.12 16.8,93.84 16.91,93.56 17.05,93.3 17.21,93.04 17.38,92.8 17.58,92.58 17.8,92.38 18.04,92.19 18.29,92.03 18.55,91.89 18.82,91.77 19.11,91.68 19.4,91.61 19.7,91.57 20,91.55 20.29,91.56 20.57,91.59 20.85,91.65 21.12,91.72 21.39,91.83 21.65,91.95 21.9,92.09 22.14,92.26 22.36,92.44 22.56,92.64 22.75,92.86 22.92,93.09 23.07,93.34 23.2,93.6 23.31,93.86 23.4,94.14 23.46,94.42 23.5,94.71 23.51,95 23.5,95.29 23.47,95.58 23.41,95.86 23.33,96.14 23.23,96.42 23.11,96.68 22.96,96.93 22.79,97.17 22.61,97.4 22.4,97.61 22.18,97.8 21.94,97.97 21.69,98.13 21.43,98.26 21.16,98.37 20.88,98.46 20.59,98.52 20.29,98.56 20,98.58 19.7,98.57 19.41,98.53 19.12,98.48 18.83,98.39 18.56,98.29 18.29,98.16 18.03,98.01 17.79,97.84 17.56,97.65 17.35,97.44 17.15,97.22 16.97,96.98 16.82,96.72 16.68,96.45 16.57,96.18 16.48,95.89 16.42,95.6 16.38,95.3 16.36,95 16.37,94.7 16.41,94.4 16.46,94.1 16.55,93.81 16.65,93.53 16.78,93.26 16.94,93 17.11,92.75 17.3,92.52 17.51,92.3 17.74,92.1 17.99,91.92 18.25,91.76 18.52,91.63 18.8,91.51 19.09,91.42 19.39,91.36 19.69,91.32 20,91.3 20.29,91.31 20.58,91.34 20.87,91.39 21.15,91.47 21.42,91.57 21.69,91.69 21.94,91.83 22.19,91.99 22.42,92.17 22.64,92.36 22.84,92.57 23.02,92.8 23.19,93.05 23.34,93.3 23.46,93.57 23.57,93.84 23.65,94.12 23.71,94.41 23.75,94.71 23.76,95 23.75,95.3 23.72,95.59 23.67,95.88 23.59,96.17 23.49,96.45 23.37,96.72 23.23,96.98 23.06,97.23 22.88,97.46 22.68,97.68 22.47,97.89 22.23,98.07 21.99,98.24 21.73,98.39 21.46,98.52 21.18,98.63 20.89,98.71 20.6,98.77 20.3,98.81 20,98.83 19.7,98.82 19.4,98.78 19.1,98.73 18.81,98.65 18.53,98.55 18.25,98.42 17.99,98.28 17.74,98.11 17.5,97.93 17.27,97.73 17.07,97.51 16.88,97.27 16.7,97.02 16.55,96.76 16.42,96.48 16.31,96.2 16.23,95.91 16.17,95.61 16.13,95.3 16.11,95 16.12,94.69 16.15,94.39 16.21,94.09 16.29,93.79 16.39,93.51 16.52,93.23 16.67,92.96 16.83,92.7 17.02,92.46 17.23,92.23 17.45,92.02 17.69,91.82 17.95,91.65 18.22,91.5 18.49,91.37 18.78,91.26 19.08,91.17 19.38,91.1 19.69,91.07 20,91.05 20.3,91.06 20.59,91.09 20.88,91.14 21.17,91.21 21.45,91.31 21.72,91.43 21.99,91.56 22.24,91.72 22.48,91.89 22.71,92.08 22.92,92.29 23.12,92.51 23.3,92.75 23.46,93 23.6,93.27 23.72,93.54 23.82,93.82 23.9,94.11 23.96,94.4 24,94.7 24.01,95 24,95.3 23.97,95.6 23.92,95.89 23.85,96.19 23.75,96.47 23.63,96.75 23.49,97.02 23.33,97.27 23.16,97.52 22.96,97.75 22.75,97.97 22.52,98.17 22.28,98.35 22.03,98.51 21.76,98.66 21.48,98.78 21.2,98.88 20.9,98.96 20.61,99.02 20.3,99.06 20,99.08 19.7,99.07 19.39,99.04 19.09,98.98 18.8,98.91 18.51,98.81 18.22,98.69 17.95,98.55 17.69,98.39 17.44,98.21 17.21,98.01 16.99,97.79 16.79,97.56 16.6,97.32 16.43,97.06 16.29,96.79 16.16,96.51 16.06,96.22 15.97,95.92 15.91,95.62 15.88,95.31 15.86,95 15.87,94.69 15.9,94.38 15.96,94.08 16.03,93.78 16.13,93.48 16.26,93.2 16.4,92.92 16.56,92.66 16.74,92.4 16.95,92.17 17.16,91.94 17.4,91.74 17.65,91.55 17.91,91.38 18.19,91.23 18.47,91.1 18.77,91 19.07,90.91 19.37,90.85 19.69,90.81 20,90.8 20.3,90.81 20.6,90.84 20.89,90.89 21.19,90.96 21.47,91.05 21.75,91.16 22.02,91.3 22.28,91.45 22.53,91.62 22.77,91.8 22.99,92.01 23.2,92.23 23.39,92.46 23.57,92.71 23.72,92.97 23.86,93.24 23.98,93.52 24.08,93.8 24.16,94.1 24.21,94.39 24.25,94.7 24.26,95 24.25,95.3 24.22,95.61 24.17,95.91 24.1,96.2 24.01,96.49 23.89,96.78 23.76,97.05 23.6,97.32 23.43,97.57 23.24,97.81 23.04,98.04 22.81,98.25 22.58,98.44 22.33,98.62 22.06,98.78 21.79,98.92 21.51,99.04 21.22,99.14 20.92,99.22 20.61,99.28 20.31,99.31 20,99.33 19.69,99.32 19.38,99.29 19.08,99.23 18.78,99.16 18.48,99.07 18.2,98.95 17.92,98.81 17.65,98.66 17.39,98.48 17.15,98.29 16.92,98.08 16.71,97.85 16.51,97.61 16.33,97.36 16.17,97.09 16.02,96.82 15.9,96.53 15.8,96.23 15.72,95.93 15.66,95.62 15.63,95.31 15.61,95 15.62,94.69 15.65,94.37 15.7,94.07 15.78,93.76 15.88,93.46 15.99,93.17 16.13,92.89 16.29,92.62 16.47,92.36 16.66,92.11 16.88,91.88 17.1,91.66 17.35,91.46 17.61,91.28 17.88,91.11 18.16,90.97 18.45,90.84 18.75,90.74 19.06,90.66 19.37,90.6 19.68,90.56 20,90.55 20,90.35 v1(20.35,90) ; 19.59,78.98 19.63,78.97 20,78.6 20,78.55 20.21,78.56 20.41,78.6 20.61,78.67 20.8,78.76 20.97,78.88 21.12,79.03 21.25,79.19 21.36,79.38 21.44,79.58 21.49,79.79 21.51,80 21.5,80.22 21.46,80.43 21.39,80.64 21.29,80.83 21.16,81.01 21.01,81.17 20.84,81.31 20.65,81.42 20.44,81.5 20.22,81.55 20,81.58 19.78,81.56 19.55,81.52 19.34,81.45 19.14,81.34 18.95,81.21 18.78,81.05 18.64,80.87 18.53,80.67 18.44,80.46 18.38,80.23 18.36,80 18.37,79.77 18.42,79.54 18.49,79.31 18.6,79.1 18.74,78.91 18.91,78.74 19.09,78.59 19.3,78.47 19.52,78.38 19.76,78.32 20,78.3 20.22,78.31 20.44,78.35 20.66,78.41 20.86,78.51 21.05,78.63 21.22,78.78 21.38,78.94 21.51,79.13 21.61,79.33 21.69,79.55 21.74,79.77 21.76,80 21.75,80.23 21.71,80.46 